# Altium PCB base-32-bit_v1.PcbDoc (part 3 of 3)
Units mil, origin at the board's own origin, x right, y up, seen from the top; angles counter-clockwise.
Board outline 1400 x 1750 mil, 4 copper layers (Top Layer, GND, PWR, Bottom Layer), stack 23.756 mil thick; 71 components, 133 nets, 539 pads, 361 vias.
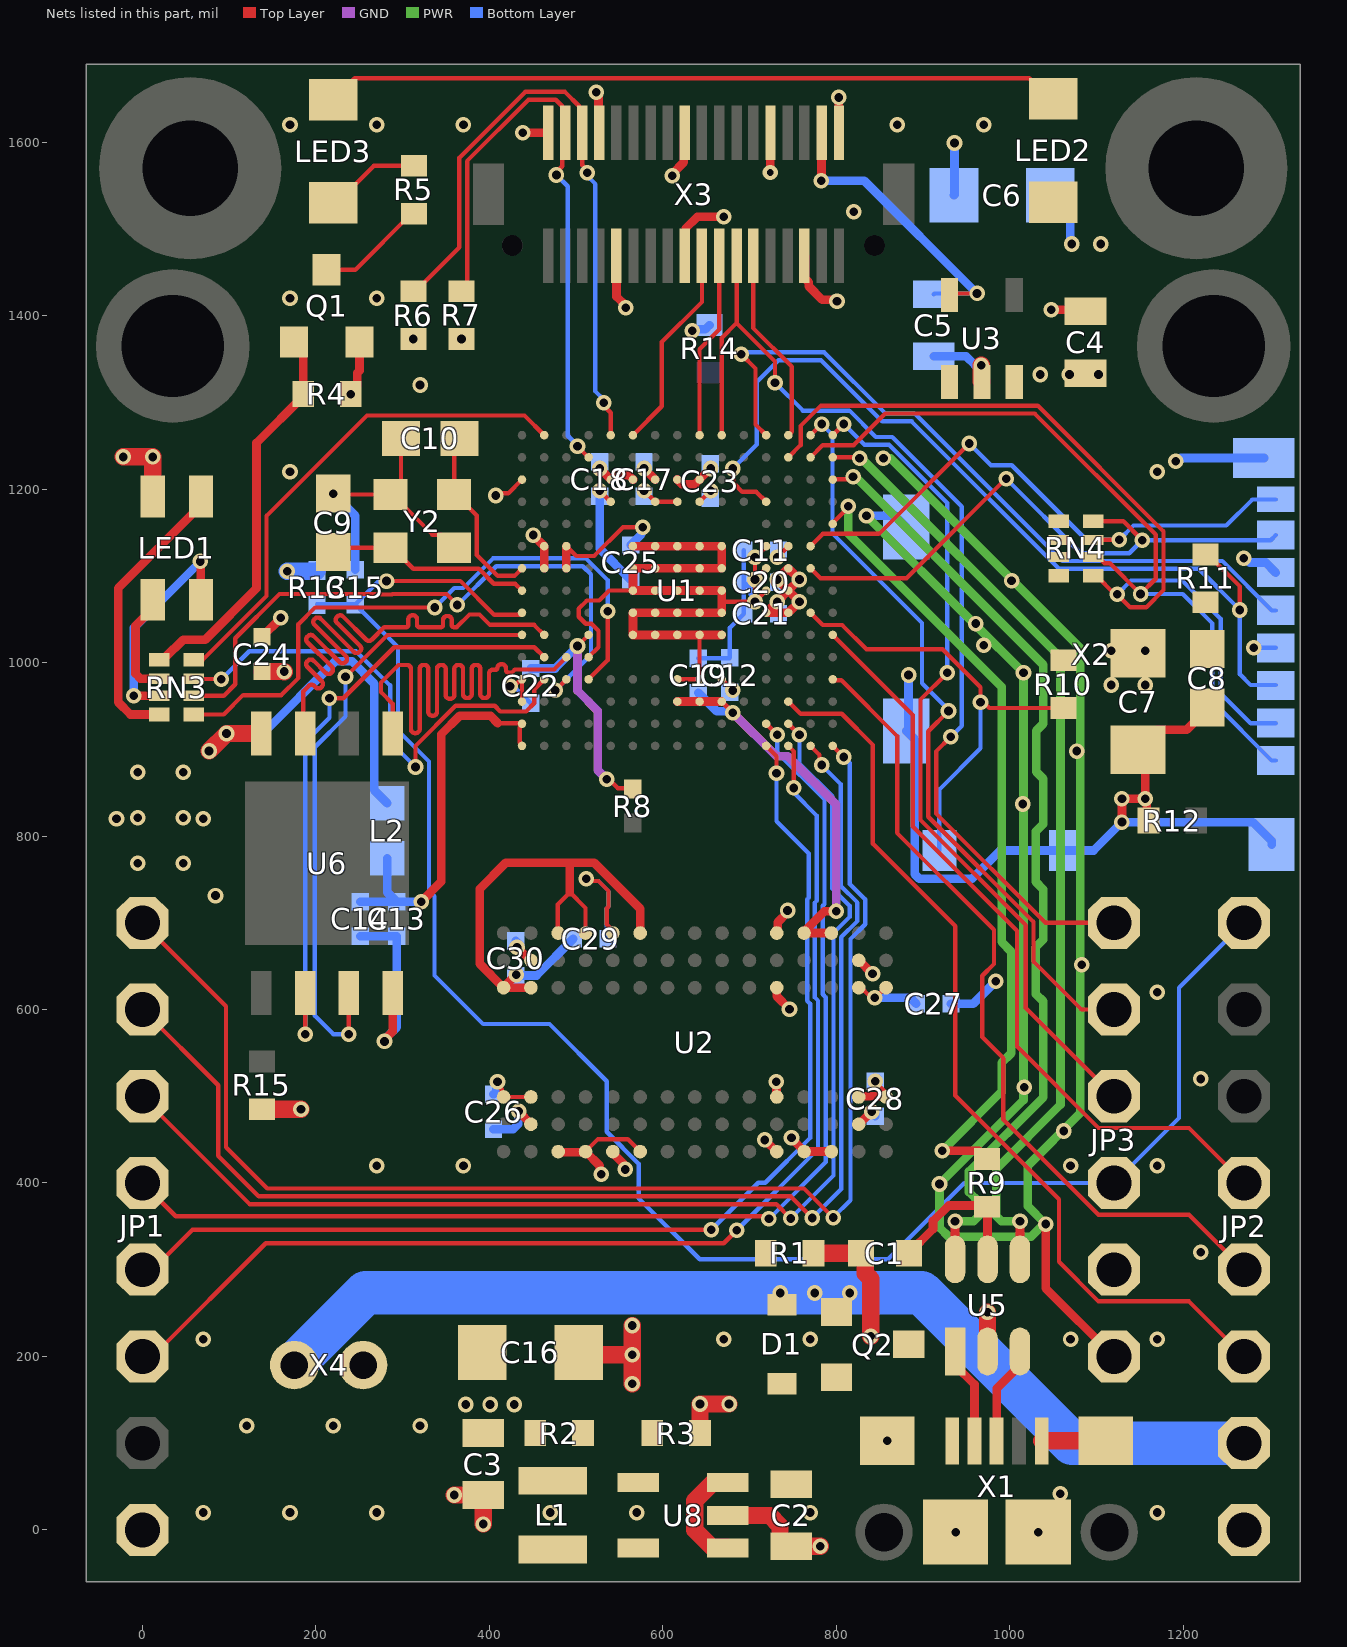
[diagram p5: the nets of this part, all layers, seen from the top]

## Via types
v1: diameter 18, hole 10, Top Layer to Bottom Layer, tented both sides, 295 vias
v2: diameter 18, hole 10, Top Layer to Bottom Layer, 36 vias
v3: diameter 18/18/18/18 (per signal layer), hole 10, Top Layer to Bottom Layer, tented both sides, 16 vias
v4: diameter 17.72, hole 8, Top Layer to Bottom Layer, tented both sides, 14 vias

## Nets (pads, with @x,y where several pads share a name; then routed paths per layer and width w, separated by ;. In a path a pad name is that pad's centre, name@x,y a point inside that pad or via, vN(x,y) a via of type N, cw(c..) or ccw(c..) an arc to the next point about the centre after c; other vN are vias at no path point) (continued)
FLASH_IO0: U1.L3 U6.5 | length 764.5
  Top Layer w5: U6.5@288.35,918.29 288.35,952.65 275,966 275,977.12 295.17,997.29 305,997.29 cw(c305,992.79) 309.5,992.79 309.5,923.22 ccw(c314,923.22) 314,918.72 315,918.72 ccw(c315,923.22) 319.5,923.22 319.5,992.79 cw(c324,992.79) 324,997.29 325,997.29 cw(c325,992.79) 329.5,992.79 329.5,943.22 ccw(c334,943.22) 334,938.72 335,938.72 ccw(c335,943.22) 339.5,943.22 339.5,992.79 cw(c344,992.79) 344,997.29 345,997.29 cw(c345,992.79) 349.5,992.79 349.5,962.85 ccw(c354,962.85) 354,958.35 355,958.35 ccw(c355,962.85) 359.5,962.85 359.5,992.79 cw(c364,992.79) 364,997.29 365,997.29 cw(c365,992.79) 369.5,992.79 369.5,963.64 ccw(c374,963.64) 374,959.14 375,959.14 ccw(c375,963.64) 379.5,963.64 379.5,992.79 cw(c384,992.79) 384,997.29 385,997.29 cw(c385,992.79) 389.5,992.79 389.5,963.64 ccw(c394,963.64) 394,959.14 395,959.14 ccw(c395,963.64) 399.5,963.64 399.5,987.29 cw(c404,987.29) 404,991.79 407.29,991.79 ccw(c407.29,993.5) 409,993.5 cw(c413.5,993.5) 413.5,998 414.5,998 cw(c414.5,993.5) 419,993.5 419,991.79 ccw(c422.65,991.79) 422.65,988.14 425.35,988.14 429.33,992.12 474.53,992.12 U1.L3@488.7,1006.29
FLASH_IO1: U1.L2 U6.2 | length 723.4
  Top Layer w5: v1(187.56,571.47) U6.2@187.56,619.09 ; v1(215.5,959) 231.42,959 290.13,1017.71 451.69,1017.71 U1.L2@463.11,1006.29
  Bottom Layer w5: v1(187.56,571.47) 187.56,908.56 215.5,936.5 v1(215.5,959)
FLASH_IO2: U1.K1 U6.3 | length 724.8
  Top Layer w5: v1(234,983.5) 282.38,1031.88 U1.K1@437.52,1031.88 ; v1(237.96,571.47) U6.3@237.96,619.09
  Bottom Layer w5: v1(234,983.5) 234,937.99 198.5,902.49 198.5,593 220.03,571.47 v1(237.96,571.47)
FLASH_IO3: U1.K2 U6.7 | length 764.9
  Top Layer w5: U6.7@187.56,918.29 185.5,920.35 185.5,967 191.64,973.14 cw(c194.82,969.96) 198.01,973.14 199.68,971.47 ccw(c202.86,974.65) 206.05,971.47 206.75,972.17 ccw(c203.57,975.36) 206.75,978.54 190.05,995.25 cw(c193.23,998.43) 190.05,1001.61 190.75,1002.32 cw(c193.94,999.13) 197.12,1002.32 211.27,988.16 ccw(c214.45,991.34) 217.64,988.16 218.34,988.87 ccw(c215.16,992.05) 218.34,995.23 190.05,1023.53 cw(c193.23,1026.71) 190.05,1029.89 190.75,1030.6 cw(c193.94,1027.42) 197.12,1030.6 227.4,1000.32 ccw(c230.58,1003.5) 233.76,1000.32 234.47,1001.03 ccw(c231.29,1004.21) 234.47,1007.39 198.23,1043.63 cw(c201.41,1046.82) 198.23,1050 198.93,1050.71 cw(c202.12,1047.52) 205.3,1050.71 243.7,1012.3 ccw(c246.89,1015.48) 250.07,1012.3 250.78,1013 ccw(c247.59,1016.19) 250.78,1019.37 224.03,1046.11 cw(c227.22,1049.29) 224.03,1052.47 224.74,1053.18 cw(c227.92,1050) 231.1,1053.18 257.85,1026.44 ccw(c261.03,1029.62) 264.21,1026.44 278.65,1040.88 303.88,1040.88 ccw(c303.88,1043.5) 306.5,1043.5 306.5,1050 cw(c311,1050) 311,1054.5 312,1054.5 cw(c312,1050) 316.5,1050 316.5,1043.5 ccw(c319.11,1043.5) 319.11,1040.88 343.88,1040.88 ccw(c343.88,1043.5) 346.5,1043.5 346.5,1049.21 cw(c351,1049.21) 351,1053.71 352,1053.71 cw(c352,1049.21) 356.5,1049.21 356.5,1043.5 ccw(c359.11,1043.5) 359.11,1040.88 362.38,1040.88 377,1055.5 388.62,1055.5 400.62,1043.5 451.5,1043.5 U1.K2@463.11,1031.88
FS_DM: U1.C15 U5.6 | length 1104.3
  Top Layer w5: U1.C15@795.79,1211.02 796.33,1211.56 812.61,1211.56 812.7,1211.65 816.74,1211.65 v1(819.23,1214.14)
  Top Layer w10: U5.6@936.86,311.99 v1(936.86,356.07)
  PWR w10: v1(819.23,1214.14) 821.39,1214.14 825.39,1210.14 825.99,1210.14 1038.5,997.63 1038.5,929.5 1030.5,921.5 1030.5,874 1038.5,866 1038.5,814 1029.73,805.23 1029.73,747.27 1038.5,738.5 1038.5,680.77 1030,672.27 1030,618 1038.5,609.5 1038.5,498.69 953,413.19 953,389.5 964.26,378.24 964.26,361.93 958.4,356.07 v1(936.86,356.07)
FS_DP: U1.B15 U5.4 | length 1106.9
  Top Layer w5: U1.B15@795.79,1236.61 825.75,1236.61 v1(826.73,1235.64)
  Top Layer w10: U5.4@1011.66,311.99 v1(1011.66,356.07)
  PWR w10: v1(826.73,1235.64) 828.77,1235.64 1058.5,1005.91 1058.5,490.41 984.26,416.17 984.26,361.93 990.12,356.07 v1(1011.66,356.07)
GND: C1.1 C2.1 C3.1 C4.1 C5.1 C6.C C7.C C8.2 C9.1 C10.1 C11.2 C12.2 C13.2 C14.2 C15.2 C16.C C17.2 C18.2 C19.2 C20.2 C21.2 C22.2 C23.2 C24.2 C25.2 C26.2 C27.2 C28.2 C29.2 C30.2 JP2.8 JP3.6 Q1.2 R1.1 R3.1 R4.1 R12.1 U1.D5 U1.D7 U1.D8 U1.D9 U1.F2 U1.F6 U1.F7 U1.F8 U1.F9 U1.F10 U1.F12 U1.G2 U1.G6 U1.G7 U1.G8 U1.G9 U1.G10 U1.G12 U1.H6 U1.H7 U1.H8 U1.H9 U1.H10 U1.H12 U1.J6 U1.J7 U1.J8 U1.J9 U1.J10 U1.K6 U1.K7 U1.K8 U1.K9 U1.K10 U1.L4 U1.M1 U1.M8 U1.M9 U1.N1 U2.A3 U2.B3 U2.B8 U2.C1 U2.D1 U2.E9 U2.F1 U2.L3 U2.L9 U2.M1 U2.N1 U2.P3 U2.P8 U2.R3 U3.2 U5.2 U6.4 U8.2 X1.5 X1.S X2.CD$2 X2.G$1 X2.G$2 X2.G$3 X2.G$4 X2.P$6 X3.5 X3.19 X3.27 X4.2 Y2.2 Y2.4 | length 7291
  Top Layer w5: v1(219.87,1194.86) 220.94,1193.79 Y2.4@286.02,1193.79 ; C10.1@298,1258.49 298,1205.78 Y2.4@286.02,1193.79 ; Y2.2@359.25,1132.38 344.03,1147.59 334.19,1147.59 287.99,1193.79 Y2.4@286.02,1193.79 ; v1(409.23,516.64) 409.23,513.12 414.24,508.1 414.24,501.27 U2.A3@416.3,499.21 U2.B3@447.8,499.21 ; v1(423.73,972.64) 426.22,975.13 430.63,975.13 436.21,980.7 U1.M1@437.52,980.7 U1.N1@437.52,955.11 ; U2.D1@510.79,436.22 525.16,450.59 559.41,450.59 U2.F1@573.78,436.22 ; v1(511.73,750.64) 514.22,748.15 525.64,748.15 537.23,736.56 537.23,718.56 535.23,716.56 535.23,698.15 542.28,691.1 U2.E9@542.28,688.19 ; U1.L4@514.29,1006.29 525.71,1017.71 525.71,1036.61 517.65,1044.68 510.94,1044.68 502.87,1052.75 502.87,1062.21 512.31,1071.65 526.59,1071.65 538.01,1083.07 U1.H6@565.47,1083.07 ; v1(527.09,1198.23) U1.D5@539.88,1185.43 ; v1(578.27,1198.23) U1.D7@591.06,1185.43 U1.D8@616.65,1185.43 ; U1.M8@616.65,980.7 U1.M9@642.24,980.7 U1.K9@642.25,1031.88 ; U1.D9@642.24,1185.43 v1(655.04,1198.23) ; 667.84,1070.28 v1(706.22,1070.27) ; U1.G12@719.02,1108.66 v1(706.22,1095.86) ; U1.F12@719.02,1134.25 v1(706.22,1121.45) v1(706.22,1095.86) ; U1.H12@719.02,1083.07 v1(706.22,1070.27) v1(706.22,1095.86)
  Top Layer w10: C24.2@137.76,1029.69 159.23,1051.16 v1(159.23,1051.64) ; v1(240.16,1309.49) 240.16,1311.99 247.66,1319.49 247.66,1333.99 250.16,1336.49 Q1.2@250.16,1369.49 ; v1(278.98,563.21) 278.98,565.38 288.35,574.74 U6.4@288.35,619.08 ; v1(431.73,671.64) 432.29,671.64 447.24,656.69 U2.B8@447.8,656.69 ; v1(450.32,1147.04) U1.F2@463.11,1134.25 U1.G2@463.11,1108.66 ; U2.C1@479.29,436.22 480.16,435.34 509.91,435.34 U2.D1@510.79,436.22 527.2,419.81 527.2,411.67 v1(528.73,410.14) ; X3.27@546.42,1469.13 546.42,1422.11 557.23,1411.3 v1(557.23,1409.14) ; U1.F6@565.48,1134.25 U1.F7@591.07,1134.25 U1.F8@616.66,1134.25 U1.F9@642.25,1134.25 U1.F10@667.84,1134.25 U1.G10@667.84,1108.66 U1.G9@642.24,1108.66 U1.G8@616.65,1108.66 U1.G7@591.06,1108.66 U1.G6@565.47,1108.66 U1.H6@565.47,1083.07 U1.H7@591.06,1083.07 U1.H8@616.65,1083.07 U1.H9@642.24,1083.07 U1.H10@667.84,1083.07 667.84,1070.28 U1.J10@667.84,1057.48 U1.J9@642.24,1057.48 U1.J8@616.65,1057.48 U1.J7@591.06,1057.48 U1.J6@565.47,1057.48 U1.K6@565.47,1031.88 U1.K7@591.06,1031.88 U1.K8@616.66,1031.88 U1.K9@642.25,1031.88 U1.K10@667.84,1031.88 ; X3.19@625.16,1469.13 626.16,1470.13 626.16,1500.52 639.78,1514.14 v1(670.23,1514.14) ; v1(730.73,516.64) 730.99,516.37 730.99,499.48 U2.L3@731.26,499.21 ; U2.L9@731.26,688.19 732.36,689.29 732.36,700.61 743.73,711.97 v1(743.73,714.14) ; v1(748.23,452.31) 748.23,451.53 762.76,437 U2.M1@762.76,436.22 U2.N1@794.25,436.22 ; X3.5@763,1469.13 764,1468.13 764,1442.63 768,1438.63 768,1433.9 783.73,1418.17 799.2,1418.17 v1(800.73,1416.64) ; U2.P3@825.75,499.21 826.68,500.14 856.31,500.14 U2.R3@857.24,499.21 857.24,500.77 846.26,511.75 846.26,515.61 v1(844.73,517.14) ; U2.P8@825.75,656.69 825.96,656.69 841.51,641.14 v1(841.73,641.14) ; v1(1041.23,352.64) 1041.23,278.77 JP3.6@1120,200 ; v1(1047.73,1406.64) 1085.66,1406.64 C4.1@1087.23,1405.07 ; v1(1129.23,816.14) v1(1129.23,843.14) v1(1156.23,843.14) ; R12.1@1159.76,817.69 1157.76,819.69 1157.76,841.61 v1(1156.23,843.14) ; C8.2@1227.76,948.23 1227.76,946.23 1204.11,922.57 1170.76,922.57 C7.C@1147.76,899.57 1156.23,891.1 v1(1156.23,843.14)
  Top Layer w20: v1(359.26,40.26) C3.1@392.76,40.26 v1(392.76,6.76) ; C16.C@502.85,204.64 505.35,202.14 v1(564.73,202.14) ; v1(564.73,168.64) v1(564.73,202.14) ; v1(564.73,235.64) v1(564.73,202.14) ; R3.1@642.76,111.69 v1(642.76,145.19) v1(676.26,145.19) ; U8.2@674.76,16.69 723.19,16.69 734.91,4.97 734.91,-12.74 740.91,-18.74 C2.1@747.76,-18.74 v1(781.26,-18.74) ; R1.1@773.52,319 C1.1@828.52,319 833.48,314.04 833.48,295.65 839.73,289.4 v1(839.73,223.14) ; v1(967,1343) 967,1324.55 U3.2@967.86,1323.69 ; U5.2@974.23,205.72 v1(974.23,251.14) ; X1.5@1036.74,102.69 X1.S@1110.74,102.69
  PWR w10: v1(834.73,1169.14) 959.68,1044.18 v1(1015.73,988.14) 1015.73,837 1015.73,495.72 v1(918.86,398.85) 918.86,348.62 929.4,338.07 1024.5,338.07 1039.06,352.64 v1(1041.23,352.64) 1020.5,373.37 1020.5,420 1081,480.5 1081,1017 862.36,1235.64 v1(854.23,1235.64)
  Bottom Layer w5: v1(423.73,972.64) 426.22,970.15 430.72,970.15 C22.2@447.73,953.14 ; v1(511.73,750.64) 514.22,748.15 525.64,748.15 537.23,736.56 537.23,718.56 535.23,716.56 535.23,683.14 C29.2@536.73,681.64 ; C19.2@640.73,1005.14 676.73,1005.14 C12.2@677.23,1005.64 677.23,1040.14 C21.2@693.23,1056.14 C20.2@693.23,1092.64 ; C11.2@693.23,1129.64 C20.2@693.23,1092.64 ; v1(706.22,1070.27) 706.22,1073.79 700.73,1079.29 700.73,1085.14 C20.2@693.23,1092.64 ; v1(706.22,1095.86) v1(706.22,1121.45)
  Bottom Layer w10: v1(219.87,1194.86) 245.37,1169.36 C15.2@245.37,1106.89 ; C14.2@251.21,684.38 C13.2@293.21,684.38 293.21,579.6 278.98,565.38 v1(278.98,563.21) ; C26.2@404.73,502.14 407.7,505.11 407.7,515.11 v1(409.23,516.64) ; C30.2@430.23,679.14 431.73,677.64 v1(431.73,671.64) ; C18.2@527.23,1191.64 527.23,1131.14 C25.2@562.73,1095.64 ; v1(834.73,1169.14) 867.65,1169.14 X2.G$3@880.55,1156.24 ; v1(883.23,985.64) 883.23,923.88 X2.G$4@880.55,921.2 890.25,911.49 890.25,756.05 895.52,750.78 956.41,750.78 989.03,783.4 X2.CD$2@1064.61,783.4 1096.49,783.4 v1(1129.23,816.14) 1129.57,815.8 1280.23,815.8 1301.81,794.22 X2.G$1@1301.81,790.29 ; C5.1@912.26,1353.26 949.45,1353.26 959.71,1343 v1(967,1343) ; C27.2@932.23,606.64 957.73,606.64 v1(983.73,632.64) ; C6.C@935.64,1538.69 936.23,1539.28 v1(936.23,1599.14) ; v1(1191.23,1232.14) 1193.39,1232.14 1197.21,1235.96 X2.G$2@1292.96,1235.96 ; v1(1269.73,1120.14) 1271.89,1120.14 1276.63,1115.4 1295,1115.4 X2.P$6@1306.73,1103.68
  other v1: 937.5,-2.62 1032.74,-2.62 1058.23,41.64 858.76,102.69 1062,460 1016.5,510.5 1083,651.5 84.12,731.38 -5.5,768.5 47,768.5 -5.5,821 47,821 1015,837 -5.5,873.5 47,873.5 1077,898 960.5,1045 1002,1094.5
  other v2: 70,20 170,20 270,20 470,20 570,20 770,20 1170,20 120,120 220,120 320,120 70,220 670,220 770,220 1070,220 1170,220 1220,320 270,420 370,420 1070,420 1170,420 1220,520 1170,620 -30,820 70,820 970,1020 170,1220 1170,1220 320,1320 170,1420 270,1420 820,1520 170,1620 270,1620 370,1620 870,1620 970,1620
I2C1_SCL: R6.2 U1.A5 X3.32 | length 748.2
  Top Layer w5: R6.2@312.23,1428.14 314.73,1428.14 365.28,1478.69 365.28,1581.92 441.36,1658 487.05,1658 503.55,1641.51 503.55,1614.5 X3.32@507.05,1611 507.05,1573.57 512.73,1567.89 v1(512.73,1564.64) ; v1(531.73,1299.64) 531.73,1296.12 539.88,1287.96 U1.A5@539.88,1262.2
  Bottom Layer w5: v1(512.73,1564.64) 512.73,1561.12 522.17,1551.68 522.17,1312.71 531.73,1303.16 v1(531.73,1299.64)
I2C1_SDA: R7.2 U1.B4 X3.34 | length 720.7
  Top Layer w5: R7.2@367.73,1428.14 374.28,1434.69 374.28,1578.19 445.09,1649 476.37,1649 483.86,1641.51 483.86,1614.5 X3.34@487.36,1611 483.86,1607.5 483.86,1572.29 477.23,1565.66 v1(477.23,1562.14) ; v1(501.5,1249.41) U1.B4@514.3,1236.61
  Bottom Layer w5: v1(477.23,1562.14) 490.23,1549.14 490.23,1261.47 501.5,1250.2 v1(501.5,1249.41)
I2C2_SCL: JP1.5 U1.R12 | length 1307.3
  Top Layer w5: JP1.5@0,300 11.46,300 57.6,346.14 v1(655.73,346.14) ; U1.R12@719.02,903.93 731,891.96 v1(731,872.5)
  Bottom Layer w5: v1(655.73,346.14) 709.85,400.26 718.1,400.26 769.73,451.89 769.73,606.56 766.23,610.06 766.23,727.01 768.23,729.01 768.23,779.82 731,817.04 v1(731,872.5)
I2C2_SDA: JP1.6 U1.R13 | length 1358.4
  Top Layer w5: JP1.6@0,200 11.46,200 142.1,330.64 670.23,330.64 v1(685.23,345.64) ; U1.R13@744.61,903.93 751,897.55 v1(751,855.5)
  Bottom Layer w5: v1(685.23,345.64) 778.73,439.14 778.73,610.29 775.23,613.79 775.23,723.29 777.23,725.29 777.23,823.64 751,849.87 v1(751,855.5)
LED_B: RN3.1 U1.M4 | length 722.2
  Top Layer w5: RN3.1@58.91,940.14 93.64,940.14 116,962.5 160,962.5 179.73,982.23 179.73,1044.23 199,1063.5 v1(337,1063.5) ; U1.M4@514.29,980.7 536.23,1002.64 v1(536.23,1059.37)
  Bottom Layer w5: v1(337,1063.5) 359.5,1086 369.99,1086 404.12,1120.14 511.38,1120.14 536.23,1095.29 v1(536.23,1059.37)
LED_G: RN3.2 U1.M3 | length 734.7
  Top Layer w5: RN3.2@58.91,961.8 93.81,961.8 107,974.99 107,1028.12 157.88,1079 274.37,1079 274.87,1078.5 287.72,1078.5 288.22,1079 350.5,1079 v1(363,1066.5) ; v1(475.91,967.91) U1.M3@488.7,980.7
  Bottom Layer w5: v1(363,1066.5) 363.21,1066.5 407.85,1111.14 507.65,1111.14 517,1101.79 517,1009 v1(475.91,967.91)
LED_IR: RN3.4 U1.A2 | length 584.5
  Top Layer w5: RN3.4@58.91,1003.13 69.28,1003.13 143,1076.85 143,1169.18 258.81,1284.99 440.33,1284.99 U1.A2@463.11,1262.2
LED_R: RN3.3 U1.M2 | length 582
  Top Layer w5: RN3.3@58.91,981.48 59.33,981.06 90.31,981.06 v1(90.73,980.64) ; v1(314.73,879.64) 314.73,903.86 361.01,950.14 405.99,950.14 412.44,943.69 442.25,943.69 451.69,953.13 451.69,969.28 U1.M2@463.11,980.7
  Bottom Layer w5: v1(90.73,980.64) 123.09,1013 246.22,1013 285.5,973.72 285.5,922.81 286.34,921.96 286.34,908.02 v1(314.73,879.64)
NetC9_2: C9.2 U1.H1 Y2.1 | length 240.1
  Top Layer w5: C9.2@219.87,1127.39 224.86,1132.38 Y2.1@286.02,1132.38 287.99,1132.38 312.21,1108.16 387.84,1108.16 405,1091 429.6,1091 U1.H1@437.52,1083.07
NetC10_2: C10.2 U1.G1 Y2.3 | length 214.6
  Top Layer w5: C10.2@365.46,1258.49 359.25,1252.27 Y2.3@359.25,1193.79 361.22,1193.79 385.43,1169.58 385.43,1124.07 409.5,1100 428.86,1100 U1.G1@437.52,1108.66
NetC13_1: C13.1 C14.1 L2.1 U1.P1 U1.R1 | length 461
  Top Layer w5: 409.73,930.14 436.91,930.14 U1.P1@437.52,929.52 437.52,928.21 434.82,925.51 434.82,907.95 437.52,905.24 U1.R1@437.52,903.93
  Top Layer w10: v1(321.23,724.14) 344.27,747.18 344.27,917.13 365.77,938.64 401.23,938.64 409.73,930.14
  Bottom Layer w10: C14.1@251.21,724.38 C13.1@293.21,724.38 ; L2.1@282.21,774.38 282.21,735.38 C13.1@293.21,724.38 ; v1(321.23,724.14) 321.11,724.26 293.33,724.26 C13.1@293.21,724.38
NetLED1_B: LED1.B RN3.8 | length 330.3
  Top Layer w10: RN3.8@19.54,940.14 -13.92,940.14 -28.11,954.34 -28.11,1085.89 67.5,1181.5 LED1.B@67.5,1191.5
NetLED1_G: LED1.G RN3.7 | length 260.8
  Top Layer w10: v1(-10.11,961.8) RN3.7@19.54,961.8 ; v1(66.73,1116.64) 67.11,1116.25 67.11,1072.83 LED1.G@67.5,1072.44
  Bottom Layer w10: v1(-10.11,961.8) -10.11,1039.8 v1(66.73,1116.64)
NetLED1_R: LED1.R RN3.6 | length 123.5
  Top Layer w10: LED1.R@11.94,1072.44 11.94,1062.44 -8.11,1042.39 -8.11,987.34 -2.26,981.48 RN3.6@19.54,981.48
NetLED2_C: LED2.C LED3.A | length 850
  Top Layer w5: LED3.A@220,1649.06 244.58,1673.64 1022.36,1673.64 1046,1650 LED2.C@1050,1650
NetLED3_C: LED3.C R5.2 | length 110.4
  Top Layer w5: LED3.C@220,1530 224,1530 266.69,1572.69 R5.2@312.76,1572.69
NetQ1_1: Q1.1 R4.2 RN3.5 | length 456.5
  Top Layer w10: RN3.5@19.54,1003.13 22.42,1006.01 26.35,1006.01 46.85,1026.5 72.28,1026.5 131.45,1085.66 131.45,1253.27 185.16,1306.99 R4.2@185.16,1309.49 185.16,1359.08 Q1.1@174.76,1369.49
NetQ1_3: Q1.3 R5.1 | length 127.5
  Top Layer w5: Q1.3@212.16,1452.86 245.43,1452.86 310.26,1517.69 R5.1@312.76,1517.69
NetR2_1: R2.1 R3.2 U8.4
NetR9_1: R9.1 U1.E15 | length 937.4
  Top Layer w5: U1.E15@795.79,1159.84 795.79,1161.02 813.73,1178.96 v1(813.73,1180.14)
  Top Layer w10: v1(922,437) 964.37,437 R9.1@973.73,427.64
  PWR w10: v1(813.73,1180.14) 813.73,1148.77 990.5,972 990.5,678 1001.73,666.77 1001.73,549.73 990.5,538.5 990.5,505.5 v1(922,437)
NetU5_1: U5.1 X1.2 | length 112.2
  Top Layer w10: U5.1@936.86,205.69 936.86,189.94 959.15,167.65 X1.2@959.15,102.69
NetU5_3: U5.3 X1.3 | length 114.1
  Top Layer w10: X1.3@984.74,102.69 984.74,163.02 1011.66,189.94 U5.3@1011.66,205.69
NRST: C15.1 JP2.1 JP3.4 R13.1 U1.J1 | length 2105
  Top Layer w5: v1(281.3,1094) 366.5,1094 405.36,1055.14 435.18,1055.14 U1.J1@437.52,1057.48
  Bottom Layer w5: R13.1@201.23,1067.14 245.13,1067.14 C15.1@245.37,1066.89 ; v1(281.3,1094) 272.48,1094 C15.1@245.37,1066.89 ; JP2.1@1270,700 1195,625 1195,475 JP3.4@1120,400 947.5,400 859.64,312.14 642.35,312.14 572.23,382.26 572.23,422.06 535.23,459.06 535.23,517.36 469.3,583.29 392.66,583.29 336.73,639.22 336.73,730.56 330.23,737.06 330.23,886.06 296.73,919.56 296.73,924.31 294.5,926.53 294.5,1017.77 C15.1@245.37,1066.89
P9: JP2.4 U1.K15 | length 889.3
  Top Layer w5: U1.K15@795.79,1031.88 888,939.68 888,811.14 1008.23,690.91 1008.23,557.58 1102.31,463.5 1206.5,463.5 JP2.4@1270,400
RAW: C2.2 D1.1 Q2.2 U8.1 U8.3 | length 126.9
  Top Layer w20: U8.1@674.76,-20.71 673.76,-19.71 656.36,-19.71 636.76,-0.11 636.76,33.49 656.96,53.69 673.76,53.69 U8.3@674.76,54.69
SD_CD: R10.2 U1.J14 X2.CD$1 | length 537.9
  Top Layer w5: U1.J14@770.2,1057.48 784.38,1043.3 806.64,1043.3 834.64,1015.3 922.48,1015.3 966.23,971.56 v1(966.23,954.1) 969.75,954.1 976.15,947.69 R10.2@1061.76,947.69
  Bottom Layer w5: X2.CD$1@918.73,783.14 918.73,853.8 966.23,901.3 v1(966.23,954.1)
SDIO_CLK: U1.A12 X2.P$5 | length 845.9
  Top Layer w5: v1(690.23,1355.64) 706.73,1339.14 706.73,1274.5 U1.A12@719.02,1262.2
  Bottom Layer w5: v1(690.23,1355.64) 692.23,1357.64 786.05,1357.64 856.05,1287.64 856.9,1287.64 857.4,1287.14 890.43,1287.14 1060.43,1117.14 1245.03,1117.14 1302.03,1060.14 X2.P$5@1306.73,1060.14
SDIO_CMD: R11.2 U1.D12 X2.P$3 | length 1064.4
  Top Layer w5: v1@679.73,1223.64 680.99,1222.38 680.99,1207.32 691.45,1196.85 707.6,1196.85 U1.D12@719.02,1185.43 ; R11.2@1225.76,1124.69 1228.26,1124.69 1265.23,1087.72 v1(1265.23,1060.64)
  Bottom Layer w5: v1(680.63,1223.82) 708.21,1251.4 708.21,1323.54 733.31,1348.64 782.32,1348.64 852.82,1278.14 886.7,1278.14 1056.7,1108.14 1217.73,1108.14 v1(1265.23,1060.64) 1265.23,986.48 1277.57,974.14 X2.P$3@1306.73,974.14
SDIO_D0: RN4.8 U1.G14 X2.P$7 | length 699.1
  Top Layer w5: U1.G14@770.2,1108.66 781.62,1097.24 880.83,1097.24 v1(995.73,1212.14) ; RN4.8@1095.91,1163.13 1130.73,1163.13 v1(1152.73,1141.14)
  Bottom Layer w5: v1(995.73,1212.14) 1081.73,1126.14 1137.73,1126.14 v1(1152.73,1141.14) 1300.73,1141.14 X2.P$7@1306.73,1147.14
SDIO_D1: RN4.7 U1.F14 X2.P$8 | length 681.2
  Top Layer w5: U1.F14@770.2,1134.25 784.37,1148.42 849.01,1148.42 v1(953.23,1252.64) ; RN4.7@1095.91,1141.48 1095.99,1141.56 1126.15,1141.56 v1(1126.23,1141.64)
  Bottom Layer w5: v1(953.23,1252.64) 978.23,1227.64 1002.15,1227.64 1088.15,1141.64 v1(1126.23,1141.64) 1142.59,1158 1249.5,1158 1279.64,1188.14 X2.P$8@1306.73,1188.14
SDIO_D2: RN4.6 U1.B14 X2.P$1 | length 913
  Top Layer w5: U1.B14@770.2,1236.61 784.37,1250.78 819.95,1250.78 856.43,1287.26 1028.52,1287.26 1168.23,1147.56 1168.23,1096.64 v1(1150.73,1079.14) 1115.35,1114.52 1109.1,1114.52 1101.82,1121.8 RN4.6@1095.91,1121.8
  Bottom Layer w5: v1(1150.73,1079.14) 1199.36,1079.14 1233.5,1045 1233.5,955.45 1301.81,887.14 X2.P$1@1306.73,887.14
SDIO_D3: RN4.5 U1.B13 X2.P$2 | length 1010.6
  Top Layer w5: U1.B13@744.61,1236.61 758.78,1250.78 758.78,1272.7 782.34,1296.26 1032.25,1296.26 1177.23,1151.29 1177.23,1083.72 1157.15,1063.64 1138.73,1063.64 v1(1123.73,1078.64) 1121.35,1078.64 1099.85,1100.14 RN4.5@1095.91,1100.14
  Bottom Layer w5: v1(1123.73,1078.64) 1139.73,1094.64 1198.86,1094.64 1243,1050.5 1243,964.72 1277.58,930.14 X2.P$2@1306.73,930.14
SPI2_MISO: JP1.2 U1.R14 | length 1507.7
  Top Layer w5: JP1.2@0,600 87.27,512.73 87.27,431.23 133.86,384.64 747.23,384.64 v1(772.23,359.64) ; U1.R14@770.2,903.93 780.51,893.63 780.51,884.38 v1(783,881.89)
  Bottom Layer w5: v1(772.23,359.64) 805.73,393.14 805.73,683.51 824.23,702.01 824.23,723.29 804.86,742.66 804.86,860.03 v1(783,881.89)
SPI2_MOSI: JP1.1 U1.R15 | length 1606.8
  Top Layer w5: JP1.1@0,700 96.27,603.73 96.27,441.23 143.86,393.64 762.73,393.64 v1(796.23,360.14) ; U1.R15@795.79,903.93 v1(808.59,891.14)
  Bottom Layer w5: v1(796.23,360.14) 816.23,380.14 816.23,681.29 833.23,698.29 833.23,727.01 815.5,744.74 815.5,884.23 v1(808.59,891.14)
SPI2_NSS: JP1.4 U1.P12 | length 1367.5
  Top Layer w5: JP1.4@0,400 38.36,361.64 719.23,361.64 v1(722.23,358.64) ; U1.P12@719.02,929.52 v1(731.82,916.73)
  Bottom Layer w5: v1(722.23,358.64) 787.73,424.14 787.73,614.01 784.23,617.51 784.23,719.56 786.23,721.56 786.23,842.19 731.82,896.6 v1(731.82,916.73)
SPI2_SCLK: JP1.3 U1.P13 | length 1433.9
  Top Layer w5: JP1.3@0,500 0,499.14 123.5,375.64 730.73,375.64 v1(747.23,359.14) ; U1.P13@744.61,929.52 v1(757.41,916.73)
  Bottom Layer w5: v1(747.23,359.14) 796.73,408.64 796.73,688.22 815.23,706.72 815.23,719.56 795.23,739.56 795.23,845.92 757.41,883.74 v1(757.41,916.73)
SPI3_MISO: U1.A9 X3.15 | length 216.4
  Top Layer w5: U1.A9@642.24,1262.2 642.24,1361.38 665,1384.14 X3.15@665,1469.13
SPI3_MOSI: U1.A6 X3.17 | length 239.9
  Top Layer w5: U1.A6@565.47,1262.2 598.73,1295.46 598.73,1369.56 645,1415.83 X3.17@645,1469.13
SPI3_SCLK/TRACESWO: JP3.1 U1.A10 X3.13 | length 1199.1
  Top Layer w5: U1.A10@667.84,1262.2 667.84,1374.25 685,1391.41 ; X3.13@685,1469.13 685,1391.41 ; v1(729.23,1322.64) 729.23,1347.18 685,1391.41 ; v1(931.98,914.39) 915,897.41 915,826 1041,700 JP3.1@1120,700
  Bottom Layer w5: v1(729.23,1322.64) 761.37,1290.5 815.01,1290.5 845.37,1260.14 864.38,1260.14 944.73,1179.79 944.73,927.14 v1(931.98,914.39)
SPI3_SSEL: U1.A13 X3.11 | length 227
  Top Layer w5: X3.11@704,1469.13 704,1385.79 748.5,1341.29 748.5,1266.09 U1.A13@744.61,1262.2
SW: L1.1 U8.5
SWCLK: JP3.2 U1.A14 | length 873.9
  Top Layer w5: U1.A14@770.2,1262.2 v1(783,1275) ; v1(929.23,944.14) 906,920.91 906,822.27 1027.23,701.04 1027.23,655.27 1082.5,600 JP3.2@1120,600
  Bottom Layer w5: v1(783,1275) 795.5,1262.49 795.5,1148.87 898.73,1045.64 898.73,976.19 929.23,945.69 v1(929.23,944.14)
SWDIO: JP3.3 U1.A15 | length 964.1
  Top Layer w5: U1.A15@795.79,1262.2 v1(808.59,1275) ; v1(927.73,988.14) 897,957.41 897,818.54 1018.23,697.32 1018.23,601.77 JP3.3@1120,500
  Bottom Layer w5: v1(808.59,1275) 832.45,1251.14 860.65,1251.14 927.73,1184.06 v1(927.73,988.14)
TIM4_CH1: JP2.6 U1.N13 | length 1061.6
  Top Layer w5: U1.N13@744.61,955.11 758.78,940.94 806.16,940.94 842.09,905.02 842.09,791.1 937.23,695.96 937.23,546.95 937.14,546.86 937.14,500.92 1056.73,381.33 1056.73,309.08 1102.31,263.5 1206.5,263.5 JP2.6@1270,200
TIM4_CH2: JP2.5 U1.M15 | length 954.5
  Top Layer w5: U1.M15@795.79,980.7 796.72,979.78 805.51,979.78 870,915.29 870,803.68 981.73,691.95 981.73,652.56 968.23,639.06 968.23,568.27 992.5,544 992.5,473.31 1102.31,363.5 1206.5,363.5 JP2.5@1270,300
VBUS: C1.2 Q2.3 R9.2 U5.5 X1.1 | length 179.9
  Top Layer w10: C1.2@883.52,319 911.44,346.96 911.44,356.11 929.4,374.07 972.29,374.07 974.26,372.11 U5.5@974.26,311.99
VCAP1: C12.1 U1.M10 | length 18.1
  Top Layer w5: U1.M10@667.84,980.7 v1(680.64,967.91)
VCAP2: C11.1 U1.F13 | length 18.1
  Top Layer w5: v1(731.81,1121.45) U1.F13@744.61,1134.25
VCC: C3.2 C4.2 C6.A C7.A C8.1 C16.A C17.1 C18.1 C19.1 C20.1 C21.1 C22.1 C23.1 C24.1 C25.1 C26.1 C27.1 C28.1 C29.1 C30.1 JP1.8 JP3.5 L1.2 L2.2 LED1.A LED2.A R2.2 R6.1 R7.1 R8.1 R10.1 R11.1 R13.2 R14.2 R15.2 RN4.1 RN4.2 RN4.3 RN4.4 U1.C1 U1.C5 U1.C6 U1.C7 U1.C8 U1.C9 U1.F3 U1.G3 U1.G13 U1.H13 U1.J12 U1.J13 U1.K4 U1.N8 U1.N9 U1.N10 U2.A7 U2.B2 U2.B7 U2.C9 U2.D9 U2.E1 U2.F9 U2.L1 U2.L7 U2.M9 U2.N9 U2.P2 U2.P7 U2.R7 U3.1 U3.3 U6.8 X2.P$4 X3.2 X3.10 X3.20 X3.30 X3.36 | length 3112.8
  Top Layer w5: v1(407.23,1192.64) 409.72,1195.13 421.63,1195.13 U1.C1@437.52,1211.02 ; U2.C9@479.29,688.19 478.73,688.75 478.73,721.14 492.73,735.14 510.79,717.08 U2.D9@510.79,688.19 ; U1.F3@488.7,1134.25 500.12,1122.83 520.67,1122.83 553.98,1156.14 v1(576.73,1156.14) ; v1(501.5,1019.09) U1.K4@514.29,1031.88 ; v1(535.23,865.64) 537.56,865.64 548.06,855.14 564.23,855.14 R8.1@565.23,854.14 ; U2.P7@825.75,625.2 828.66,625.2 837.73,616.13 841.74,616.13 v1(844.23,613.64) 844.95,613.64 856.51,625.2 U2.R7@857.24,625.2
  Top Layer w6: U1.N10@667.84,955.11 v1(680.64,942.32)
  Top Layer w10: v1(430.73,640.14) 416.3,625.71 U2.A7@416.3,625.2 ; v1(433.73,482.64) 433.73,482.22 447.8,468.14 U2.B2@447.8,467.72 ; v1(438.37,1611) X3.36@467.68,1611 ; U2.B7@447.8,625.2 U2.A7@416.3,625.2 ; U1.G3@488.7,1108.66 U1.F3@488.7,1134.25 ; 492.73,735.14 492.73,767.77 491.36,769.14 ; v1(523.23,1657.64) 523.23,1655.47 525.73,1652.97 525.73,1612 X3.30@526.73,1611 ; v1(527.09,1223.82) U1.C5@539.88,1211.02 545.09,1216.23 560.27,1216.23 U1.C6@565.47,1211.02 ; U2.E1@542.28,436.22 542.28,434.66 555.2,421.75 555.2,417.17 v1(556.73,415.64) ; U2.F9@573.78,688.19 573.78,716.27 520.91,769.14 491.36,769.14 ; v1(578.27,1223.82) U1.C7@591.06,1211.02 ; v1(610.73,1561.14) 610.73,1563.3 624.16,1576.73 624.16,1610 X3.20@625.16,1611 ; U1.N8@616.65,955.11 U1.N9@642.24,955.11 U1.N10@667.84,955.11 ; U1.C8@616.66,1211.02 621.88,1205.81 637.04,1205.81 U1.C9@642.25,1211.02 ; U1.C9@642.25,1211.02 v1(655.04,1223.82) ; v1(717.23,449.64) 717.53,449.64 730.95,436.22 U2.L1@731.26,436.22 ; U1.J12@719.02,1057.48 U1.J13@744.61,1057.48 v1(757.41,1070.27) ; U1.J12@719.02,1057.48 v1(731.81,1070.27) U1.H13@744.61,1083.07 v1(757.41,1070.27) ; v4(723.73,1565.14) 723.86,1565.27 723.86,1610.86 X3.10@724,1611 ; U2.L7@731.26,625.2 731.26,615.24 v1(746,600.5) ; U2.N9@794.25,688.19 U2.M9@762.76,688.19 762.76,689.75 786.15,713.14 v1(799.73,713.14) ; v1(802.73,1651.64) 802.86,1651.5 802.86,1611.14 X3.2@803,1611 ; U2.P2@825.75,467.72 826.03,467.72 840.45,482.14 v1(840.73,482.14) ; U2.A7@416.3,625.2 388.73,652.77 388.73,739.09 418.77,769.14 491.36,769.14 ; v1(731.81,1095.86) U1.H13@744.61,1083.07 v1(757.41,1095.86) U1.G13@744.61,1108.66 v1(731.81,1095.86)
  Top Layer w20: v1(-22.27,1237.14) v1(11.73,1237.14) 11.94,1236.93 LED1.A@11.94,1191.5 ; v1(76.73,898.14) v1(96.88,918.29) U6.8@137.16,918.29 ; R15.2@137.73,485.14 v1(182.73,485.14) ; C24.1@137.76,989.69 163.18,989.69 v1(163.23,989.64)
  GND w10: v1(501.5,1019.09) 501.5,967.77 525,944.27 525,875.87 v1(535.23,865.64) ; v1(680.64,942.32) 731,891.96 744.04,891.96 799.73,836.27 v1(799.73,713.14)
  Bottom Layer w5: v1(1281.23,1017.14) X2.P$4@1306.73,1017.06
  Bottom Layer w10: v1(96.88,918.29) 138.94,918.29 222.15,1001.5 241.46,1001.5 267.21,975.75 267.21,852.88 L2.2@282.21,837.88 ; C26.1@404.73,462.14 427.37,462.14 433.23,468 433.23,482.14 v1(433.73,482.64) ; C30.1@430.23,639.14 454.23,639.14 C29.1@496.73,681.64 ; C22.1@447.73,993.14 475.55,993.14 v1(501.5,1019.09) ; C25.1@562.73,1135.64 575.2,1148.11 575.2,1154.61 v1(576.73,1156.14) ; v1(633.73,1382.64) 635.26,1384.17 648.76,1384.17 R14.2@653.73,1389.14 ; C19.1@640.73,965.14 662.01,943.85 679.11,943.85 v1(680.64,942.32) ; v1(840.73,482.14) 844.73,478.14 C28.1@844.73,477.14 ; v1(844.23,613.64) 885.23,613.64 C27.1@892.23,606.64 ; C6.A@1046.76,1538.69 1069.76,1515.69 1069.76,1484.11 v1(1071.23,1482.64)
  Bottom Layer w20: v1(166.73,1105.14) 201.23,1105.14 R13.2@201.23,1106.14
  other v1: 372.73,144.64 400.73,144.64 428.73,144.64 1116.73,974.14 1156.23,974.14 1116.73,1013.64 1156.23,1013.64 1035.23,1332.14 1068.73,1332.14 1102.23,1332.14 312.23,1373.14 367.73,1373.14 1104.73,1482.64
VDDA: C5.2 U3.5 X3.4 | length 371.8
  Top Layer w5: U3.5@930.46,1423.69 932.4,1425.64 v1(962.23,1425.64)
  Top Layer w10: v1(782.73,1555.64) 782.86,1555.77 782.86,1610.86 X3.4@783,1611
  Bottom Layer w5: C5.2@912.26,1424.69 913.21,1425.64 v1(962.23,1425.64)
  Bottom Layer w10: v1(782.73,1555.64) 832.23,1555.64 v1(962.23,1425.64)
VIN: D1.2 JP2.7 Q2.1 R1.2 X4.1 | length 1202.3
  Bottom Layer w50: X4.1@175,190 175,191.24 257.4,273.64 897.99,273.64 1071.63,100 JP2.7@1270,100
  other v1: 735.23,273.14 775.23,273.14 815.23,273.14
pads on no net: H1.B2,8 H2.B2,8 U1.A1 U1.A7 U1.A8 U1.B8 U1.B11 U1.C10 U1.C11 U1.D1 U1.D2 U1.D10 U1.D11 U1.E1 U1.E4 U1.F1 U1.F4 U1.G4 U1.H4 U1.J4 U1.L15 U1.M5 U1.M6 U1.M11 U1.N2 U1.N3 U1.N12 U1.N14 U1.P2 U1.R2 U1.R4 U1.R5 U2.E3 U2.E7 U2.H3 U2.H7 U2.K2 U2.K3 U3.4 U6.0 X1.4 X1.S1 X1.S2 X3.1 X3.3 X3.6 X3.7 X3.8 X3.9 X3.F1 X3.F2
copper on no net:
  other v3: 55,1490 1215,1490 0,1515 110,1515 1160,1515 1270,1515 -25,1570 135,1570 1135,1570 1295,1570 0,1625 110,1625 1160,1625 1270,1625 55,1650 1215,1650

## Polygon pours and split planes (outlines as drawn)
GND on Top Layer "Top Layer-GND" (solid, remove dead copper, pour order 44): -149.76,1749.87 -149.76,-104.63 1396.74,-104.63 1396.74,1749.87
VCC on Top Layer "Top Layer-VCC 4" (solid, remove dead copper, pour order 32): 1028.73,1179.14 1028.73,996.14 1037.73,987.14 1038.23,987.64 1086.23,987.64 1093.23,980.64 1093.23,968.64 1102.73,959.14 1177.23,959.14 1186.73,968.64 1186.73,979.64 1196.68,989.59 1249.73,990.14 1249.73,1083.14 1243.23,1089.64 1204.73,1089.64 1192.23,1077.14 1192.23,1043.64 1083.73,1043.64 1070.73,1056.64 1070.73,1178.64 1062.23,1187.14 1036.73,1187.14
VCC on Top Layer "Top Layer-VCC" (solid, remove dead copper, pour order 28): 353.23,95.14 360.73,86.14 414.23,86.14 426.23,74.14 426.23,42.14 433.73,34.64 514.23,34.64 518.23,38.64 518.23,76.66 512.7,82.14 481.23,82.14 481.23,133.27 426.73,187.77 426.73,242.14 353.23,242.14
VCC on Top Layer "Top Layer-VCC 1" (solid, remove dead copper, pour order 26): 289.73,1388.14 289.73,1348.64 385.73,1348.64 385.73,1388.14
VCC on Top Layer "Top Layer-VCC 2" (solid, remove dead copper, pour order 22): 1014.73,1473.14 1020.23,1467.64 1119.73,1467.64 1129.73,1477.64 1129.73,1490.14 1098.73,1521.14 1098.73,1550.14 1078.73,1570.14 1020.73,1570.14 1005.23,1554.64 1005.23,1484.64
VCC on Top Layer "Top Layer-VCC 3" (solid, remove dead copper, pour order 20): 934.23,1383.64 905.73,1355.14 905.73,1305.64 908.73,1302.64 1114.23,1302.64 1123.23,1311.64 1123.23,1350.64 1090.23,1383.64
VIN on Top Layer "Top Layer-VIN" (solid, remove dead copper, pour order 14): 699.23,341.14 699.23,247.64 752.73,247.64 766.73,233.64 826.73,233.64 827.73,234.64 827.73,291.64 746.73,291.64 734.23,304.14 734.23,338.64
NetR2_1 on Top Layer "Top Layer-NetR2_1" (solid, remove dead copper, pour order 12): 528,39.14 601.73,39.14 605.23,42.64 601.73,46.14 601.73,138.14 538.73,138.14 491.73,138.14 490.73,137.14 490.73,92.14 496.23,86.64 525.73,86.64 528,84.37
SW on Top Layer "Top Layer-SW" (solid, remove dead copper, pour order 10): 427.73,-1.36 428.73,-2.36 428.73,-45.86 602.23,-45.86 604.23,-43.86 604.23,-1.86
RAW on Top Layer "Top Layer-RAW" (solid, remove dead copper, pour order 8): 645.73,69.64 645.73,36.64 773.23,36.64 774.23,35.64 776.73,38.14 776.73,136.64 793.73,153.64 821.23,153.64 821.23,203.64 718.73,203.64 703.73,203.64 700.73,200.64 700.73,85.64 686.23,71.14 647.23,71.14
no net on Top Layer "Top Layer-No Net" (solid, remove dead copper, pour order 6): 701.73,-36.86
no net on Top Layer "Top Layer-No Net 1" (solid, remove dead copper, pour order 4): 649.23,-7.36
VBUS on Top Layer "Top Layer-VBUS" (solid, remove dead copper, pour order 2): 858.73,250.64 858.73,170.64 901.73,127.64 901.73,85.14 918.73,68.14 946.23,68.14 946.23,149.14 911.73,183.64 911.73,298.64 911.73,338.15 858.24,338.15
GND on Bottom Layer "Bottom Layer-GND" (solid, remove dead copper, pour order 46): -194.5,1919.5 -223.5,1890.5 -223.5,-244 1612,-244 1624.5,-231.5 1450,-57 1450,1940
VCC on Bottom Layer "Bottom Layer-VCC" (solid, remove dead copper, pour order 34): 1014.73,1572.14 1014.73,1468.64 1053.73,1468.64 1120.73,1468.64 1120.73,1493.14 1082.23,1531.64 1082.23,1572.14
GND on GND "GND-GND" (solid, remove dead copper, pour order 40): -157.5,1807 -157.5,-115.5 1413,-115.5 1413,1807
VCC on PWR "PWR-VCC" (solid, remove dead copper, pour order 48): -125.13,1727.75 -125.13,-111.75 -118.13,-104.75 1405.37,-104.75 1405.37,1727.75

## Keep-outs
Keep-Out Layer:
  the board outline again, w3.94

## Other copper
Top Layer:
  pour cut-out: 114.27,900.9 114.27,594.23 129,579.5 139,589.5 304.86,589.5 304.86,901.61
  pour cut-out: 366.5,1280 366.5,1109.5 376,1100 428.86,1100 428.86,1109.1 440.33,1120.57 440.33,1291.61
  pour cut-out: 457.68,1504.63 457.68,1433.63 813,1433.63 813,1504.63
  pour cut-out: 460.73,1649 460.73,1578.55 457.68,1575.5 813,1575.5 813,1644.59 814.97,1646.57
  pour cut-out: 496.96,82.14
  pour cut-out: 602.5,74 602.5,-49.5 674.76,-49.5 674.76,70.78
  pour cut-out: 911.44,346.96 911.44,183.93 911.73,183.64 911.86,183.77 1026.56,183.77 1026.56,348.35 1023.91,351
  pour cut-out: -6.06,1219.5 1.91,1211.53 1.91,1052.42 77.58,1052.42 78.5,1051.5 85.5,1058.5 85.5,1219.5
  pour cut-out: -6.06,1219.5 -6.06,1163.5 85.5,1163.5 85.5,1219.5
  pour cut-out: -6.5,1096 -0.5,1090 -0.5,1005.5 60,1005.5 98,1043.5 85.5,1056 85.5,1100.44
  pour cut-out: 3.73,1015.01 3.73,930.97 6.43,928.27 74.72,928.27 74.72,1015.78 73.5,1017
  pour cut-out: 93.81,961.8 86.82,954.81 86.82,888.04 311.02,888.04 314.73,891.75 295,911.48 295,969
  region net GND: 1021.76,16.69 1021.76,26.69 1082.76,87.69 1093.76,76.69 1114.76,76.69 1059.76,21.69
  region net GND: 829.73,74.69 858.68,74.69 900.68,32.69 943.76,32.69 875.14,101.31

## Silkscreen, mask and mechanical layers (free items; w line width, h text height)
Top Overlay:
  text "JLCJLCJLC" at 414,541.5 h50
Bottom Overlay:
  text "OpenMV4" at 869.5,1492.5 h150
Mechanical 1:
  the board outline again, w10

## Text inside footprints (layer, text, board x,y; h text height)
X4: Top Overlay "-" at 271.26,264.65 h86.8 r180; Top Overlay "+" at 195,272.52 h86.8 r180